# Altium PCB DK2.PcbDoc (part 3 of 5) (continued)
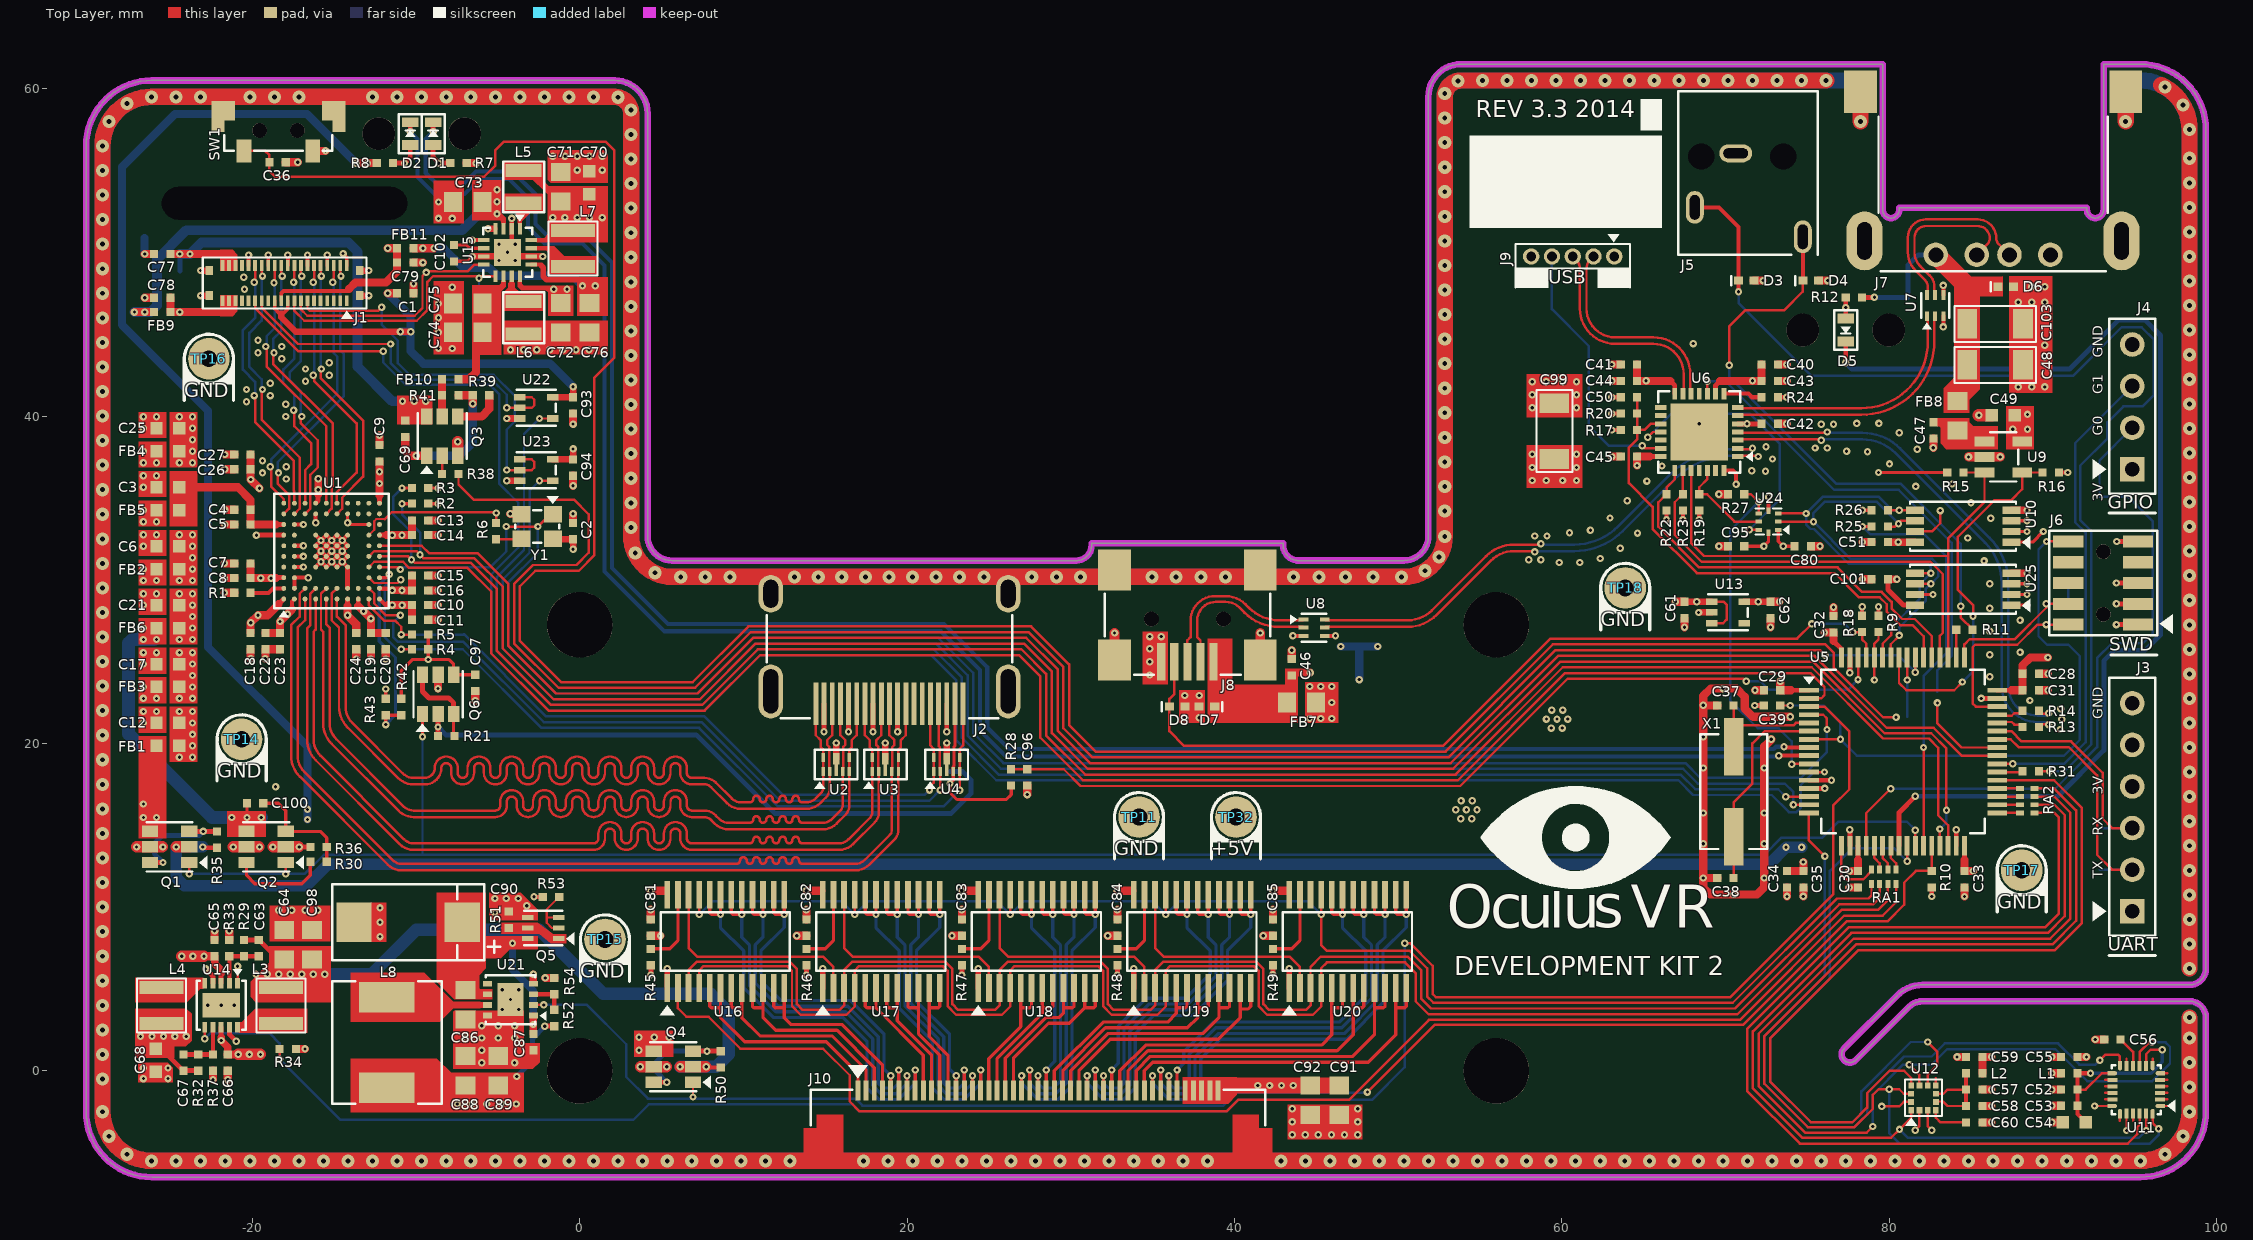
[diagram p0: Top Layer view]
## Nets (pads, with @x,y where several pads share a name; then routed paths per layer and width w, separated by ;. In a path a pad name is that pad's centre, name@x,y a point inside that pad or via, vN(x,y) a via of type N, cw(c..) or ccw(c..) an arc to the next point about the centre after c; other vN are vias at no path point) (continued)
GYRO_CS: RA2.5 U11.22 | length 60
  Top Layer w0.15: RA2.5@88.885,15.753 90.1,15.753 ; 90.1,15.75 90.375,15.475 90.375,9.6 89.55,8.775 77.545,8.775 71.325,2.555 71.325,-1.225 74.55,-4.45 94.575,-4.45 95.15,-3.875 95.15,-3.45 95.3,-3.3 95.3,-3.05 U11.22@95.3,-2.6
GYRO_IRQ: U5.16 U11.12 | length 45.6
  Top Layer w0.15: U5.16@75.101,15.751 75.101,14.074 v1(76.075,13.1) ; v1(92.875,0.65) 93.215,0.99 93.975,0.99 94.1,0.865 94.1,0.75 U11.12@94.1,0.4 U11.12@94.1,0.3
  Bottom Layer w0.15: v1(76.075,13.1) 76.075,5.82 72.375,2.12 72.375,-0.79 75.03,-3.445 77.879,-3.445 78.65,-2.674 78.65,-1.371 80.896,0.875 82.6,0.875 83.4,1.675 90.325,1.675 91.625,0.375 92.6,0.375 v1(92.875,0.65)
HDMI0_N: J2.9 U1.D2 U3.2 | length 60.6
  Top Layer w0.15: U1.D2@-16.125,29.475 -16.45,29.15 -16.45,27.225 -16.65,27.025 -16.65,20.25 ccw(c-14.839,20.25) -16.12,18.97 -11.004,13.854 ccw(c-10.15,14.707) -10.15,13.5 0.85,13.5 ccw(c0.85,14.2) 1.55,14.2 1.55,14.5 cw(c1.85,14.5) 1.85,14.8 cw(c1.85,14.5) 2.15,14.5 2.15,14.2 ccw(c2.85,14.2) 2.85,13.5 ccw(c2.85,14.2) 3.55,14.2 3.55,14.5 cw(c3.85,14.5) 3.85,14.8 cw(c3.85,14.5) 4.15,14.5 4.15,14.2 ccw(c4.85,14.2) 4.85,13.5 ccw(c4.85,14.2) 5.55,14.2 5.55,14.5 cw(c5.85,14.5) 5.85,14.8 cw(c5.85,14.5) 6.15,14.5 6.15,14.2 ccw(c6.85,14.2) 6.85,13.5 15.85,13.5 ccw(c15.85,14.707) 16.704,13.854 18.028,15.178 ccw(c17.43,15.775) 18.275,15.775 18.275,18.475 18.25,18.5 18.25,19.775 18.125,19.9 18.125,20.2 18.425,20.5 J2.9@18.425,22.42
HDMI0_P: J2.7 U1.D1 U3.1 U3.8 | length 60.3
  Top Layer w0.15: U1.D1@-16.125,28.825 -16.125,26.95 -16.25,26.825 -16.25,20.25 ccw(c-14.839,20.25) -15.837,19.253 ; -15.837,19.253 -10.721,14.136 ccw(c-10.15,14.707) -10.15,13.9 0.85,13.9 ccw(c0.85,14.2) 1.15,14.2 1.15,14.5 cw(c1.85,14.5) 1.85,15.2 cw(c1.85,14.5) 2.55,14.5 2.55,14.2 ccw(c2.85,14.2) 2.85,13.9 ccw(c2.85,14.2) 3.15,14.2 3.15,14.5 cw(c3.85,14.5) 3.85,15.2 cw(c3.85,14.5) 4.55,14.5 4.55,14.2 ccw(c4.85,14.2) 4.85,13.9 ccw(c4.85,14.2) 5.15,14.2 5.15,14.5 cw(c5.85,14.5) 5.85,15.2 cw(c5.85,14.5) 6.55,14.5 6.55,14.2 ccw(c6.85,14.2) 6.85,13.9 10.4,13.9 ccw(c10.4,14.1) 10.6,14.1 cw(c10.8,14.1) 10.8,14.3 cw(c10.8,14.1) 11,14.1 ccw(c11.2,14.1) 11.2,13.9 ccw(c11.2,14.1) 11.4,14.1 cw(c11.6,14.1) 11.6,14.3 cw(c11.6,14.1) 11.8,14.1 ccw(c12,14.1) 12,13.9 ccw(c12,14.1) 12.2,14.1 cw(c12.4,14.1) 12.4,14.3 cw(c12.4,14.1) 12.6,14.1 ccw(c12.8,14.1) 12.8,13.9 ccw(c12.8,14.1) 13,14.1 cw(c13.2,14.1) 13.2,14.3 cw(c13.2,14.1) 13.4,14.1 ccw(c13.6,14.1) 13.6,13.9 15.85,13.9 ccw(c15.85,14.707) 16.42,14.136 ; 16.421,14.136 17.745,15.46 ccw(c17.43,15.775) 17.875,15.775 17.875,19.62 17.725,19.77 17.725,20.2 17.425,20.5 J2.7@17.425,22.42
HDMI1_N: J2.6 U1.E2 U2.5 U2.6 | length 60.4
  Top Layer w0.15: U1.E2@-15.475,29.475 -15.8,29.15 -15.8,26.95 -15.675,26.825 -15.675,21.25 ccw(c-13.864,21.25) -15.145,19.97 -11.046,15.871 ccw(c-10.15,16.768) -10.15,15.5 -5.15,15.5 ccw(c-5.15,16.2) -4.45,16.2 -4.45,16.45 cw(c-4.15,16.45) -4.15,16.75 cw(c-4.15,16.45) -3.85,16.45 -3.85,16.2 ccw(c-3.15,16.2) -3.15,15.5 ccw(c-3.15,16.2) -2.45,16.2 -2.45,16.45 cw(c-2.15,16.45) -2.15,16.75 cw(c-2.15,16.45) -1.85,16.45 -1.85,16.2 ccw(c-1.15,16.2) -1.15,15.5 ccw(c-1.15,16.2) -0.45,16.2 -0.45,16.45 cw(c-0.15,16.45) -0.15,16.75 cw(c-0.15,16.45) 0.15,16.45 0.15,16.2 ccw(c0.85,16.2) 0.85,15.5 ccw(c0.85,16.2) 1.55,16.2 1.55,16.45 cw(c1.85,16.45) 1.85,16.75 cw(c1.85,16.45) 2.15,16.45 2.15,16.2 ccw(c2.85,16.2) 2.85,15.5 ccw(c2.85,16.2) 3.55,16.2 3.55,16.45 cw(c3.85,16.45) 3.85,16.75 cw(c3.85,16.45) 4.15,16.45 4.15,16.2 ccw(c4.85,16.2) 4.85,15.5 ccw(c4.85,16.2) 5.55,16.2 5.55,16.45 cw(c5.85,16.45) 5.85,16.75 cw(c5.85,16.45) 6.15,16.45 6.15,16.2 ccw(c6.85,16.2) 6.85,15.5 7.6,15.5 cw(c7.6,14.896) 8.027,15.323 8.246,15.104 ; 8.247,15.103 ccw(c9.1,15.957) 9.1,14.75 14.85,14.75 ccw(c14.85,15.957) 15.703,15.103 16.228,15.628 ccw(c15.63,16.225) 16.475,16.225 16.475,19.62 16.625,19.77 16.625,20.2 16.925,20.5 J2.6@16.925,22.42
HDMI1_P: J2.4 U1.E1 U2.4 | length 60.3
  Top Layer w0.15: U1.E1@-15.475,28.825 -15.475,27.275 -15.275,27.075 -15.275,21.25 ccw(c-13.864,21.25) -14.862,20.253 -10.763,16.154 ccw(c-10.15,16.768) -10.15,15.9 -5.15,15.9 ccw(c-5.15,16.2) -4.85,16.2 -4.85,16.45 cw(c-4.15,16.45) -4.15,17.15 cw(c-4.15,16.45) -3.45,16.45 -3.45,16.2 ccw(c-3.15,16.2) -3.15,15.9 ccw(c-3.15,16.2) -2.85,16.2 -2.85,16.45 cw(c-2.15,16.45) -2.15,17.15 cw(c-2.15,16.45) -1.45,16.45 -1.45,16.2 ccw(c-1.15,16.2) -1.15,15.9 ccw(c-1.15,16.2) -0.85,16.2 -0.85,16.45 cw(c-0.15,16.45) -0.15,17.15 cw(c-0.15,16.45) 0.55,16.45 0.55,16.2 ccw(c0.85,16.2) 0.85,15.9 ccw(c0.85,16.2) 1.15,16.2 1.15,16.45 cw(c1.85,16.45) 1.85,17.15 cw(c1.85,16.45) 2.55,16.45 2.55,16.2 ccw(c2.85,16.2) 2.85,15.9 ccw(c2.85,16.2) 3.15,16.2 3.15,16.45 cw(c3.85,16.45) 3.85,17.15 cw(c3.85,16.45) 4.55,16.45 4.55,16.2 ccw(c4.85,16.2) 4.85,15.9 ccw(c4.85,16.2) 5.15,16.2 5.15,16.45 cw(c5.85,16.45) 5.85,17.15 cw(c5.85,16.45) 6.55,16.45 6.55,16.2 ccw(c6.85,16.2) 6.85,15.9 7.6,15.9 cw(c7.6,14.896) 8.309,15.607 ; 8.31,15.606 8.529,15.386 ccw(c9.1,15.957) 9.1,15.15 10.4,15.15 ccw(c10.4,15.35) 10.6,15.35 cw(c10.8,15.35) 10.8,15.55 cw(c10.8,15.35) 11,15.35 ccw(c11.2,15.35) 11.2,15.15 ccw(c11.2,15.35) 11.4,15.35 cw(c11.6,15.35) 11.6,15.55 cw(c11.6,15.35) 11.8,15.35 ccw(c12,15.35) 12,15.15 ccw(c12,15.35) 12.2,15.35 cw(c12.4,15.35) 12.4,15.55 cw(c12.4,15.35) 12.6,15.35 ccw(c12.8,15.35) 12.8,15.15 ccw(c12.8,15.35) 13,15.35 cw(c13.2,15.35) 13.2,15.55 cw(c13.2,15.35) 13.4,15.35 ccw(c13.6,15.35) 13.6,15.15 14.85,15.15 ccw(c14.85,15.957) 15.421,15.386 15.945,15.91 ccw(c15.63,16.225) 16.075,16.225 16.075,18.475 16.1,18.5 16.1,19.784 16.225,19.909 16.225,20.2 15.925,20.5 J2.4@15.925,22.42
HDMI2_N: J2.3 U1.F2 U2.2 | length 60.1
  Top Layer w0.15: U1.F2@-14.825,29.475 -15.15,29.15 -15.15,27.525 -14.7,27.075 -14.7,22.25 ccw(c-12.889,22.25) -14.17,20.97 -11.089,17.889 ccw(c-10.15,18.828) -10.15,17.5 -9.45,17.5 ccw(c-9.45,18.5) -8.45,18.5 cw(c-8.15,18.5) -8.15,18.8 cw(c-8.15,18.5) -7.85,18.5 -7.85,18.2 ccw(c-7.15,18.2) -7.15,17.5 ccw(c-7.15,18.2) -6.45,18.2 -6.45,18.5 cw(c-6.15,18.5) -6.15,18.8 cw(c-6.15,18.5) -5.85,18.5 -5.85,18.2 ccw(c-5.15,18.2) -5.15,17.5 ccw(c-5.15,18.2) -4.45,18.2 -4.45,18.5 cw(c-4.15,18.5) -4.15,18.8 cw(c-4.15,18.5) -3.85,18.5 -3.85,18.2 ccw(c-3.15,18.2) -3.15,17.5 ccw(c-3.15,18.2) -2.45,18.2 -2.45,18.5 cw(c-2.15,18.5) -2.15,18.8 cw(c-2.15,18.5) -1.85,18.5 -1.85,18.2 ccw(c-1.15,18.2) -1.15,17.5 ccw(c-1.15,18.2) -0.45,18.2 -0.45,18.5 cw(c-0.15,18.5) -0.15,18.8 cw(c-0.15,18.5) 0.15,18.5 0.15,18.2 ccw(c0.85,18.2) 0.85,17.5 ccw(c0.85,18.2) 1.55,18.2 1.55,18.5 cw(c1.85,18.5) 1.85,18.8 cw(c1.85,18.5) 2.15,18.5 2.15,18.2 ccw(c2.85,18.2) 2.85,17.5 ccw(c2.85,18.2) 3.55,18.2 3.55,18.5 cw(c3.85,18.5) 3.85,18.8 cw(c3.85,18.5) 4.15,18.5 4.15,18.2 ccw(c4.85,18.2) 4.85,17.5 ccw(c4.85,18.2) 5.55,18.2 5.55,18.5 cw(c5.85,18.5) 5.85,18.8 cw(c5.85,18.5) 6.15,18.5 6.15,18.2 ccw(c6.85,18.2) 6.85,17.5 7.6,17.5 cw(c7.6,16.896) 8.027,17.323 8.996,16.354 ccw(c9.85,17.207) 9.85,16 13.85,16 ccw(c13.85,17.207) 14.703,16.353 ; 14.704,16.354 15.028,16.678 ccw(c14.43,17.275) 15.275,17.275 15.275,18.475 15.25,18.5 15.25,19.784 15.125,19.909 15.125,20.2 15.425,20.5 J2.3@15.425,22.42
HDMI2_P: J2.1 U1.F1 U2.1 U2.8 | length 59.9
  Top Layer w0.15: U1.F1@-14.825,28.825 -14.825,27.75 -14.3,27.225 -14.3,22.25 ccw(c-12.889,22.25) -13.887,21.253 -10.806,18.172 ccw(c-10.15,18.828) -10.15,17.9 -9.45,17.9 ccw(c-9.45,18.5) -8.85,18.5 cw(c-8.15,18.5) -8.15,19.2 cw(c-8.15,18.5) -7.45,18.5 -7.45,18.2 ccw(c-7.15,18.2) -7.15,17.9 ccw(c-7.15,18.2) -6.85,18.2 -6.85,18.5 cw(c-6.15,18.5) -6.15,19.2 cw(c-6.15,18.5) -5.45,18.5 -5.45,18.2 ccw(c-5.15,18.2) -5.15,17.9 ccw(c-5.15,18.2) -4.85,18.2 -4.85,18.5 cw(c-4.15,18.5) -4.15,19.2 cw(c-4.15,18.5) -3.45,18.5 -3.45,18.2 ccw(c-3.15,18.2) -3.15,17.9 ccw(c-3.15,18.2) -2.85,18.2 -2.85,18.5 cw(c-2.15,18.5) -2.15,19.2 cw(c-2.15,18.5) -1.45,18.5 -1.45,18.2 ccw(c-1.15,18.2) -1.15,17.9 ccw(c-1.15,18.2) -0.85,18.2 -0.85,18.5 cw(c-0.15,18.5) -0.15,19.2 cw(c-0.15,18.5) 0.55,18.5 0.55,18.2 ccw(c0.85,18.2) 0.85,17.9 ccw(c0.85,18.2) 1.15,18.2 1.15,18.5 cw(c1.85,18.5) 1.85,19.2 cw(c1.85,18.5) 2.55,18.5 2.55,18.2 ccw(c2.85,18.2) 2.85,17.9 ccw(c2.85,18.2) 3.15,18.2 3.15,18.5 cw(c3.85,18.5) 3.85,19.2 cw(c3.85,18.5) 4.55,18.5 4.55,18.2 ccw(c4.85,18.2) 4.85,17.9 ccw(c4.85,18.2) 5.15,18.2 5.15,18.5 cw(c5.85,18.5) 5.85,19.2 cw(c5.85,18.5) 6.55,18.5 6.55,18.2 ccw(c6.85,18.2) 6.85,17.9 7.6,17.9 cw(c7.6,16.869) 8.329,17.598 9.298,16.629 ccw(c9.85,17.18) 9.85,16.4 10.4,16.4 ccw(c10.4,16.6) 10.6,16.6 cw(c10.8,16.6) 10.8,16.8 cw(c10.8,16.6) 11,16.6 ccw(c11.2,16.6) 11.2,16.4 ccw(c11.2,16.6) 11.4,16.6 cw(c11.6,16.6) 11.6,16.8 cw(c11.6,16.6) 11.8,16.6 ccw(c12,16.6) 12,16.4 ccw(c12,16.6) 12.2,16.6 cw(c12.4,16.6) 12.4,16.8 cw(c12.4,16.6) 12.6,16.6 ccw(c12.8,16.6) 12.8,16.4 ccw(c12.8,16.6) 13,16.6 cw(c13.2,16.6) 13.2,16.8 cw(c13.2,16.6) 13.4,16.6 ccw(c13.6,16.6) 13.6,16.4 13.85,16.4 ccw(c13.85,17.207) 14.42,16.636 14.745,16.96 ccw(c14.43,17.275) 14.875,17.275 14.875,19.62 14.725,19.77 14.725,20.2 14.425,20.5 J2.1@14.425,22.42
HDMI_5V: C96.1 R28.1 U5.62 | length 56.8
  Top Layer w0.15: R28.1@26.325,18.425 29.575,18.425 30.6,17.4 53.8,17.4 60.35,23.95 71.125,23.95 v1(71.275,23.8) ; v1(78.1,23.9) U5.62@78.101,25.251
  Bottom Layer w0.15: v1(71.275,23.8) 72.15,23.8 72.675,23.275 77.475,23.275 v1(78.1,23.9)
HDMIC_N: J2.12 U1.C2 U3.5 U3.6 | length 59.9
  Top Layer w0.15: U1.C2@-16.775,29.475 -17.1,29.15 -17.1,27.75 -17.625,27.225 -17.625,19.25 ccw(c-15.814,19.25) -17.095,17.97 -11.711,12.586 ccw(c-10.9,13.397) -10.9,12.25 16.85,12.25 ccw(c16.85,13.457) 17.703,12.603 19.227,14.127 ccw(c18.63,14.725) 19.475,14.725 ; 19.475,14.725 19.475,19.62 19.625,19.77 19.625,20.2 19.925,20.5 J2.12@19.925,22.42
HDMIC_P: J2.10 U1.C1 U3.4 | length 60.1
  Top Layer w0.15: U1.C1@-16.775,28.825 -16.775,27.525 -17.225,27.075 -17.225,19.25 ccw(c-15.814,19.25) -16.812,18.253 -11.428,12.869 ccw(c-10.9,13.397) -10.9,12.65 9.6,12.65 ccw(c9.6,12.85) 9.8,12.85 cw(c10,12.85) 10,13.05 cw(c10,12.85) 10.2,12.85 ccw(c10.4,12.85) 10.4,12.65 ccw(c10.4,12.85) 10.6,12.85 cw(c10.8,12.85) 10.8,13.05 cw(c10.8,12.85) 11,12.85 ccw(c11.2,12.85) 11.2,12.65 ccw(c11.2,12.85) 11.4,12.85 cw(c11.6,12.85) 11.6,13.05 cw(c11.6,12.85) 11.8,12.85 ccw(c12,12.85) 12,12.65 ccw(c12,12.85) 12.2,12.85 cw(c12.4,12.85) 12.4,13.05 cw(c12.4,12.85) 12.6,12.85 ccw(c12.8,12.85) 12.8,12.65 ccw(c12.8,12.85) 13,12.85 cw(c13.2,12.85) 13.2,13.05 cw(c13.2,12.85) 13.4,12.85 ccw(c13.6,12.85) 13.6,12.65 16.85,12.65 ccw(c16.85,13.457) 17.421,12.886 ; 17.42,12.886 18.944,14.41 ccw(c18.63,14.725) 19.075,14.725 19.075,18.475 19.1,18.5 19.1,19.775 19.225,19.9 19.225,20.2 18.925,20.5 J2.10@18.925,22.42
HPDI: R42.2 R43.2 U1.K3 | length 12.3
  Top Layer w0.2: U1.K3@-12.225,30.125 -11.825,30.125 v1(-11.625,30.325) ; v1(-11.85,21.15) R43.2@-11.85,21.725 R42.2@-10.9,21.725
  Bottom Layer w0.2: v1(-11.85,21.15) -11.25,21.75 -11.25,25.25 -12.25,26.25 -12.25,29.7 v1(-11.625,30.325)
HPDO: J2.19 R4.1 U1.J3 U4.5 U4.6 | length 52.2
  Top Layer w0.13: -12.55,29.8 -11.125,29.8
  Top Layer w0.15: U1.J3@-12.875,30.125 -12.55,29.8 ; -11.125,29.8 v1(-10.925,30) ; v1(-10.9,25.75) R4.1@-10.25,25.75 ; v1(23.225,17.15) 23.225,19.675 23.425,19.875 J2.19@23.425,22.42
  Bottom Layer w0.15: v1(-10.925,30) -11.125,29.8 -11.688,29.8 -11.913,29.575 -11.913,26.513 -11.15,25.75 v1(-10.9,25.75) -7.14,25.75 -2.34,20.95 7.3,20.95 12.1,16.15 22.225,16.15 v1(23.225,17.15)
HUB_I2C_EN: R27.2 U5.10 U24.5 | length 21.9
  Top Layer w0.15: R27.2@71.15,35.225 71.55,35.225 v1(72.025,34.75) U24.5@72.025,34.055 ; v1@74.051,18.751 U5.10@75.101,18.751
  Top Layer w0.2: U24.5@72.02,34.05 U24.5@72.025,34.055
  Bottom Layer w0.15: v1(72.025,34.75) 70.3,33.025 70.3,22.6 71.975,20.925 73.25,20.925 74.05,20.125 v1(74.05,18.725)
HUB_RESET: C50.1 R17.1 R20.2 U5.54 U6.17 | length 31.3
  Top Layer w0.15: R17.1@64.601,39.149 64.601,38.576 64.1,38.075 64.1,35.9 65.55,34.45 65.55,33.1 68.25,30.4 76.675,30.4 78.15,28.925 79.425,28.925 79.85,28.5 79.85,28.05 80.675,27.225 81.425,27.225 82.101,26.549 U5.54@82.101,25.251 ; C50.1@64.609,41.149 64.609,39.149 65.049,39.149 65.424,39.524 U6.17@66.051,39.524
HUB_SELFPWR: R22.2 U5.53 U6.22 | length 24.9
  Top Layer w0.15: U6.22@66.901,36.674 66.901,36.126 66.401,35.626 66.401,35.232 65.9,34.731 65.9,33.245 68.395,30.75 76.85,30.75 78.343,29.257 79.538,29.257 80.15,28.645 80.15,28.25 80.8,27.6 81.562,27.6 82.601,26.561 U5.53@82.601,25.251
I2C1_SCL: R25.1 U5.58 U10.6 U24.2 U25.6 | length 27
  Top Layer w0.15: U24.2@73.23,33.55 v1(75.375,33.55) ; R25.1@79.925,33.25 80.35,33.25 80.7,33.6 U10.6@81.575,33.6 ; U5.58@80.101,25.251 80.101,26.06 v1@80.625,26.584 ; U25.6@81.575,29.75 v1(82.55,29.75)
  Bottom Layer w0.15: v1(80.575,33.425) 79.225,34.775 76.075,34.775 75.375,34.075 v1(75.375,33.55) 77.65,31.275 82.625,31.275 83,30.9 83,30.2 v1(82.55,29.75) 82.225,29.425 82.225,28.7 80.625,27.1 v1(80.625,26.6)
I2C1_SDA: R26.1 U5.59 U10.5 U24.3 U25.5 | length 26.9
  Top Layer w0.15: U24.3@73.23,34.05 v1(74.925,34.05) ; U5.59@79.601,25.251 79.601,26.09 80.125,26.614 v1(80.125,27.1) ; R26.1@79.925,34.25 U10.5@81.575,34.25 ; U25.5@81.575,30.4 v1(82.55,30.4)
  Bottom Layer w0.15: v1(80.125,27.1) 81.875,28.85 81.875,29.725 v1(82.55,30.4) 82.55,30.775 82.35,30.975 77.526,30.975 75.401,33.1 75.189,33.1 74.925,33.364 v1(74.925,34.05) 75.95,35.075 79.35,35.075 80.175,34.25 v1(80.625,34.25)
I2C2_SCL: R2.1 U1.J5 U5.29 | length 124.4
  Top Layer w0.15: U1.J5@-12.875,31.425 -12.55,31.75 -9.975,31.75 v1(-9.75,31.525) -9.55,31.325 -6.444,31.325 -4.7,29.581 -4.7,25.806 -1.594,22.7 7.345,22.7 10.745,26.1 27.14,26.1 28.85,24.39 28.85,20.635 31.035,18.45 53.365,18.45 59.915,25 75.35,25 79.725,20.625 82.575,20.625 83.5,19.7 v1(83.5,15.925) ; U5.29@83.101,13.751 v1(83.101,14.776)
  Top Layer w0.2: v1(-10.85,34.65) R2.1@-10.25,34.65
  Bottom Layer w0.15: v1(-10.85,34.65) -10.85,33.975 -9.75,32.875 v1(-9.75,31.525) ; v1(83.101,14.776) 83.5,15.175 v1(83.5,15.925)
I2C2_SDA: R3.1 U1.K5 U5.30 | length 124.6
  Top Layer w0.15: U1.K5@-12.225,31.425 -10.475,31.425 v1(-10.275,31.225) -10.075,31.025 -6.647,31.025 -5.05,29.428 -5.05,25.653 -1.747,22.35 7.49,22.35 10.89,25.75 26.995,25.75 28.5,24.245 28.5,20.49 30.89,18.1 53.51,18.1 60.06,24.65 75.275,24.65 79.625,20.3 82.425,20.3 83,19.725 83,15.6 83.601,14.999 U5.30@83.601,13.751
  Top Layer w0.2: v1(-10.85,35.6) R3.1@-10.25,35.6
  Bottom Layer w0.15: v1(-10.85,35.6) -11.4,35.05 -11.4,34.025 -10.275,32.9 v1(-10.275,31.225)
I2C_SCL_PU_EN: R25.2 U5.27 | length 24.7
  Top Layer w0.15: U5.27@82.101,13.751 v1(82.101,19.749)
  Top Layer w0.2: v1(78.375,33.25) R25.2@78.925,33.25
  Bottom Layer w0.15: v1(78.375,33.25) 78.85,32.775 82.15,32.775 83.475,31.45 83.475,25.501 82.101,24.127 v1(82.101,19.749)
IR_LED1: J10.1 U16.5 U16.6 | length 14.5
  Top Layer w0.2: U16.5@7.955,5.05 7.955,3.945 8.05,3.85 8.605,3.85 ; U16.6@8.605,5.05 8.605,3.245 10.075,1.775 15.075,1.775 17,-0.15 J10.1@17,-1.2
IR_LED2: J10.2 U16.7 U16.8 | length 13.8
  Top Layer w0.2: U16.7@9.255,5.05 9.255,3.945 9.35,3.85 9.905,3.85 ; U16.8@9.905,5.05 9.905,3.245 11.025,2.125 15.425,2.125 17.5,0.05 J10.2@17.5,-1.2
IR_LED3: J10.3 U16.9 U16.10 | length 13.1
  Top Layer w0.2: U16.9@10.555,5.05 10.555,3.945 10.65,3.85 11.205,3.85 ; U16.10@11.205,5.05 11.205,3.245 11.975,2.475 15.725,2.475 18,0.2 J10.3@18,-1.2
IR_LED4: J10.4 U16.11 U16.12 | length 12.4
  Top Layer w0.2: U16.11@11.855,5.05 11.855,3.945 11.95,3.85 12.505,3.85 ; U16.12@12.505,5.05 12.505,3.245 12.925,2.825 16.051,2.825 18.5,0.376 J10.4@18.5,-1.2
IR_LED5: J10.5 U16.13 U16.14 | length 20.1
  Top Layer w0.2: U16.14@11.855,10.75 11.855,9.645 11.95,9.55 v1(12.505,9.55) U16.13@12.505,10.75 ; J10.5@19,-1.2 v1(19,-0.3)
  Bottom Layer w0.2: v1(12.505,9.55) 12.505,8.755 11.075,7.325 11.075,5.51 12.285,4.3 16.535,4.3 18.6,2.235 18.6,0.1 v1(19,-0.3)
IR_LED6: J10.6 U16.15 U16.16 | length 22.6
  Top Layer w0.2: U16.16@10.555,10.75 10.555,9.645 10.65,9.55 v1(11.205,9.55) U16.15@11.205,10.75 ; J10.6@19.5,-1.2 v1(19.5,0.05)
  Bottom Layer w0.2: v1@11.2,9.55 11.2,8.162 10.725,7.687 10.725,5.365 12.14,3.95 16.39,3.95 18.25,2.09 18.25,-0.75 18.55,-1.05 19.2,-1.05 19.5,-0.75 v1(19.5,0.05)
IR_LED7: J10.7 U16.17 U16.18 | length 23.2
  Top Layer w0.2: U16.18@9.255,10.75 9.255,9.645 9.35,9.55 v1(9.905,9.55) U16.17@9.905,10.75 ; J10.7@20,-1.2 v1(20,-0.3)
  Bottom Layer w0.2: v1(9.905,9.55) 9.905,8.162 10.375,7.692 10.375,5.22 11.995,3.6 16.245,3.6 17.9,1.945 17.9,-0.895 18.405,-1.4 19.35,-1.4 20,-0.75 v1(20,-0.3)
IR_LED8: J10.8 U16.19 U16.20 | length 25.5
  Top Layer w0.2: U16.20@7.955,10.75 7.955,9.645 8.05,9.55 v1(8.605,9.55) U16.19@8.605,10.75 ; J10.8@20.5,-1.2 v1(20.5,0.05)
  Bottom Layer w0.2: v1@8.6,9.55 8.6,8.75 10.025,7.325 10.025,5.075 11.85,3.25 16.1,3.25 17.55,1.8 17.55,-1.04 18.26,-1.75 19.5,-1.75 20.5,-0.75 v1(20.5,0.05)
IR_LED9: J10.9 U17.5 U17.6 | length 9.2
  Top Layer w0.2: U17.5@17.455,5.05 17.455,3.945 17.55,3.85 18.105,3.85 ; U17.6@18.105,5.05 18.105,3.85 ; J10.9@21,-1.2 21,0.955 18.105,3.85
IR_LED10: J10.10 U17.7 U17.8 | length 8.9
  Top Layer w0.2: U17.7@18.755,5.05 18.755,3.945 18.85,3.85 19.405,3.85 ; U17.8@19.405,5.05 19.405,3.045 21.5,0.95 J10.10@21.5,-1.2
IR_LED11: J10.11 U17.9 U17.10 | length 8.6
  Top Layer w0.2: U17.9@20.055,5.05 20.055,3.945 20.15,3.85 20.705,3.85 ; U17.10@20.705,5.05 20.705,2.245 22,0.95 J10.11@22,-1.2
IR_LED12: J10.12 U17.11 U17.12 | length 8.5
  Top Layer w0.2: 21.355,3.85 21.91,3.85 22.005,3.945 U17.12@22.005,5.05 ; U17.11@21.355,5.05 21.355,2.095 22.5,0.95 J10.12@22.5,-1.2
IR_LED13: J10.13 U17.13 U17.14 | length 15.3
  Top Layer w0.2: U17.14@21.355,10.75 21.355,9.645 21.45,9.55 v1(22.005,9.55) U17.13@22.005,10.75 ; J10.13@23,-1.2 v1(23,-0.3)
  Bottom Layer w0.2: v1(22.005,9.55) 22.005,8.755 20.575,7.325 20.575,4.26 22.6,2.235 22.6,0.1 v1(23,-0.3)
IR_LED14: J10.14 U17.15 U17.16 | length 17.9
  Top Layer w0.2: U17.16@20.055,10.75 20.055,9.645 20.15,9.55 v1(20.705,9.55) U17.15@20.705,10.75 ; J10.14@23.5,-1.2 v1(23.5,0.05)
  Bottom Layer w0.2: v1@20.7,9.55 20.7,8.162 20.225,7.687 20.225,4.115 22.25,2.09 22.25,-0.75 22.55,-1.05 23.2,-1.05 23.5,-0.75 v1(23.5,0.05)
IR_LED15: J10.15 U17.17 U17.18 | length 18.4
  Top Layer w0.2: U17.18@18.755,10.75 18.755,9.645 18.85,9.55 v1(19.405,9.55) U17.17@19.405,10.75 ; J10.15@24,-1.2 v1(24,-0.3)
  Bottom Layer w0.2: v1(19.405,9.55) 19.405,8.162 19.875,7.692 19.875,3.97 21.9,1.945 21.9,-0.895 22.405,-1.4 23.35,-1.4 24,-0.75 v1(24,-0.3)
IR_LED16: J10.16 U17.19 U17.20 | length 20.7
  Top Layer w0.2: U17.20@17.455,10.75 17.455,9.645 17.55,9.55 v1(18.105,9.55) U17.19@18.105,10.75 ; J10.16@24.5,-1.2 v1(24.5,0.05)
  Bottom Layer w0.2: v1@18.1,9.55 18.1,8.75 19.525,7.325 19.525,3.825 21.55,1.8 21.55,-1.04 22.26,-1.75 23.5,-1.75 24.5,-0.75 v1(24.5,0.05)
IR_LED17: J10.17 U18.5 U18.6 | length 8.9
  Top Layer w0.2: J10.17@25,-1.2 25,0.75 26.955,2.705 U18.5@26.955,5.05 ; 26.955,3.85 27.51,3.85 27.605,3.945 U18.6@27.605,5.05
IR_LED18: J10.18 U18.7 U18.8 | length 9.2
  Top Layer w0.2: J10.18@25.5,-1.2 25.5,0.755 28.255,3.51 U18.7@28.255,5.05 ; 28.255,3.85 28.81,3.85 28.905,3.945 U18.8@28.905,5.05
IR_LED19: J10.19 U18.9 U18.10 | length 10
  Top Layer w0.2: J10.19@26,-1.2 26,0.76 28.497,3.258 29.308,3.258 29.555,3.505 U18.9@29.555,5.05 ; 29.555,3.85 30.11,3.85 30.205,3.945 U18.10@30.205,5.05
IR_LED20: J10.20 U18.11 U18.12 | length 10.6
  Top Layer w0.2: J10.20@26.5,-1.2 26.5,0.765 28.642,2.908 29.908,2.908 30.855,3.855 U18.11@30.855,5.05 ; 30.855,3.85 31.41,3.85 31.505,3.945 U18.12@31.505,5.05
IR_LED21: J10.21 U18.13 U18.14 | length 19.2
  Top Layer w0.2: J10.21@27,-1.2 v1(27,-0.3) ; U18.14@30.855,10.75 30.855,9.645 30.95,9.55 v1(31.505,9.55) U18.13@31.505,10.75
  Bottom Layer w0.2: v1(27,-0.3) 27,-0.75 28,-1.75 29.24,-1.75 30.075,-0.915 30.075,7.325 31.505,8.755 v1(31.505,9.55)
IR_LED22: J10.22 U18.15 U18.16 | length 18.3
  Top Layer w0.2: J10.22@27.5,-1.2 v1(27.5,0.05) ; U18.16@29.555,10.75 29.555,9.645 29.65,9.55 v1(30.205,9.55) U18.15@30.205,10.75
  Bottom Layer w0.2: v1(27.5,0.05) 27.5,-0.75 28.15,-1.4 29.095,-1.4 29.725,-0.77 29.725,7.687 30.2,8.162 v1@30.2,9.55
IR_LED23: J10.23 U18.17 U18.18 | length 16.4
  Top Layer w0.2: J10.23@28,-1.2 v1(28,-0.3) ; U18.18@28.255,10.75 28.255,9.645 28.35,9.55 v1(28.905,9.55) U18.17@28.905,10.75
  Bottom Layer w0.2: v1(28,-0.3) 28,-0.75 28.3,-1.05 28.95,-1.05 29.375,-0.625 29.375,7.692 28.905,8.162 v1(28.905,9.55)
IR_LED24: J10.24 U18.19 U18.20 | length 14.6
  Top Layer w0.2: U18.20@26.955,10.75 26.955,9.645 27.05,9.55 v1(27.605,9.55) U18.19@27.605,10.75 ; J10.24@28.5,-1.2 v1(28.5,0.05)
  Bottom Layer w0.2: v1@27.6,9.55 27.6,8.75 29.025,7.325 29.025,0.575 v1(28.5,0.05)
IR_LED25: J10.25 U19.5 U19.6 | length 13.4
  Top Layer w0.2: J10.25@29,-1.2 29,0 31.975,2.975 35.925,2.975 36.455,3.505 U19.5@36.455,5.05 ; 36.455,3.85 37.01,3.85 37.105,3.945 U19.6@37.105,5.05
IR_LED26: J10.26 U19.7 U19.8 | length 14.4
  Top Layer w0.2: J10.26@29.5,-1.2 29.533,-1.167 29.533,0.039 32.12,2.625 37.125,2.625 37.755,3.255 U19.7@37.755,5.05 ; 37.755,3.85 38.31,3.85 38.405,3.945 U19.8@38.405,5.05
IR_LED27: J10.27 U19.9 U19.10 | length 15.2
  Top Layer w0.2: J10.27@30,-1.2 30,0.01 32.265,2.275 38.075,2.275 39.055,3.255 U19.9@39.055,5.05 ; 39.055,3.85 39.61,3.85 39.705,3.945 U19.10@39.705,5.05
IR_LED28: J10.28 U19.11 U19.12 | length 16
  Top Layer w0.2: J10.28@30.5,-1.2 30.5,0.015 32.41,1.925 39.025,1.925 40.355,3.255 U19.11@40.355,5.05 ; 40.355,3.775 40.835,3.775 41.005,3.945 U19.12@41.005,5.05
IR_LED29: J10.29 U19.13 U19.14 | length 22.9
  Top Layer w0.2: J10.29@31,-1.2 v1(31,-0.3) ; U19.14@40.355,10.75 40.355,9.645 40.45,9.55 v1(41.005,9.55) U19.13@41.005,10.75
  Bottom Layer w0.2: v1(31,-0.3) 31,-0.75 32,-1.75 33.24,-1.75 33.95,-1.04 33.95,2.275 35.05,3.375 37.45,3.375 39.575,5.5 39.575,7.325 41.005,8.755 v1(41.005,9.55)
IR_LED30: J10.30 U19.15 U19.16 | length 22
  Top Layer w0.2: J10.30@31.5,-1.2 v1(31.5,0.05) ; U19.16@39.055,10.75 39.055,9.645 39.15,9.55 v1(39.705,9.55) U19.15@39.705,10.75
  Bottom Layer w0.2: v1(31.5,0.05) 31.5,-0.75 32.15,-1.4 33.095,-1.4 33.6,-0.895 33.6,2.42 34.905,3.725 37.305,3.725 39.225,5.645 39.225,7.687 39.7,8.162 v1@39.7,9.55
IR_LED31: J10.31 U19.17 U19.18 | length 20.1
  Top Layer w0.2: J10.31@32,-1.2 v1(32,-0.3) ; U19.18@37.755,10.75 37.755,9.645 37.85,9.55 v1(38.405,9.55) U19.17@38.405,10.75
  Bottom Layer w0.2: v1(32,-0.3) 32,-0.75 32.3,-1.05 32.95,-1.05 33.25,-0.75 33.25,2.565 34.76,4.075 37.16,4.075 38.875,5.79 38.875,7.692 38.405,8.162 v1(38.405,9.55)
IR_LED32: J10.32 U19.19 U19.20 | length 18.2
  Top Layer w0.2: J10.32@32.5,-1.2 v1(32.5,0.05) ; U19.20@36.455,10.75 36.455,9.645 36.55,9.55 v1(37.105,9.55) U19.19@37.105,10.75
  Bottom Layer w0.2: v1(32.5,0.05) 32.9,0.45 32.9,2.71 34.615,4.425 37.015,4.425 38.525,5.935 38.525,7.325 37.1,8.75 v1@37.1,9.55
IR_LED33: J10.33 U20.5 U20.6 | length 19.7
  Top Layer w0.2: J10.33@33,-1.2 33,0 34.575,1.575 45.325,1.575 45.955,2.205 U20.5@45.955,5.05 ; 45.955,3.85 46.51,3.85 46.605,3.945 U20.6@46.605,5.05
IR_LED34: J10.34 U20.7 U20.8 | length 20.5
  Top Layer w0.2: J10.34@33.5,-1.2 33.5,0.005 34.72,1.225 46.275,1.225 47.255,2.205 U20.7@47.255,5.05 ; 47.255,3.85 47.81,3.85 47.905,3.945 U20.8@47.905,5.05